# KiCad board JL.kicad_pcb (continued)
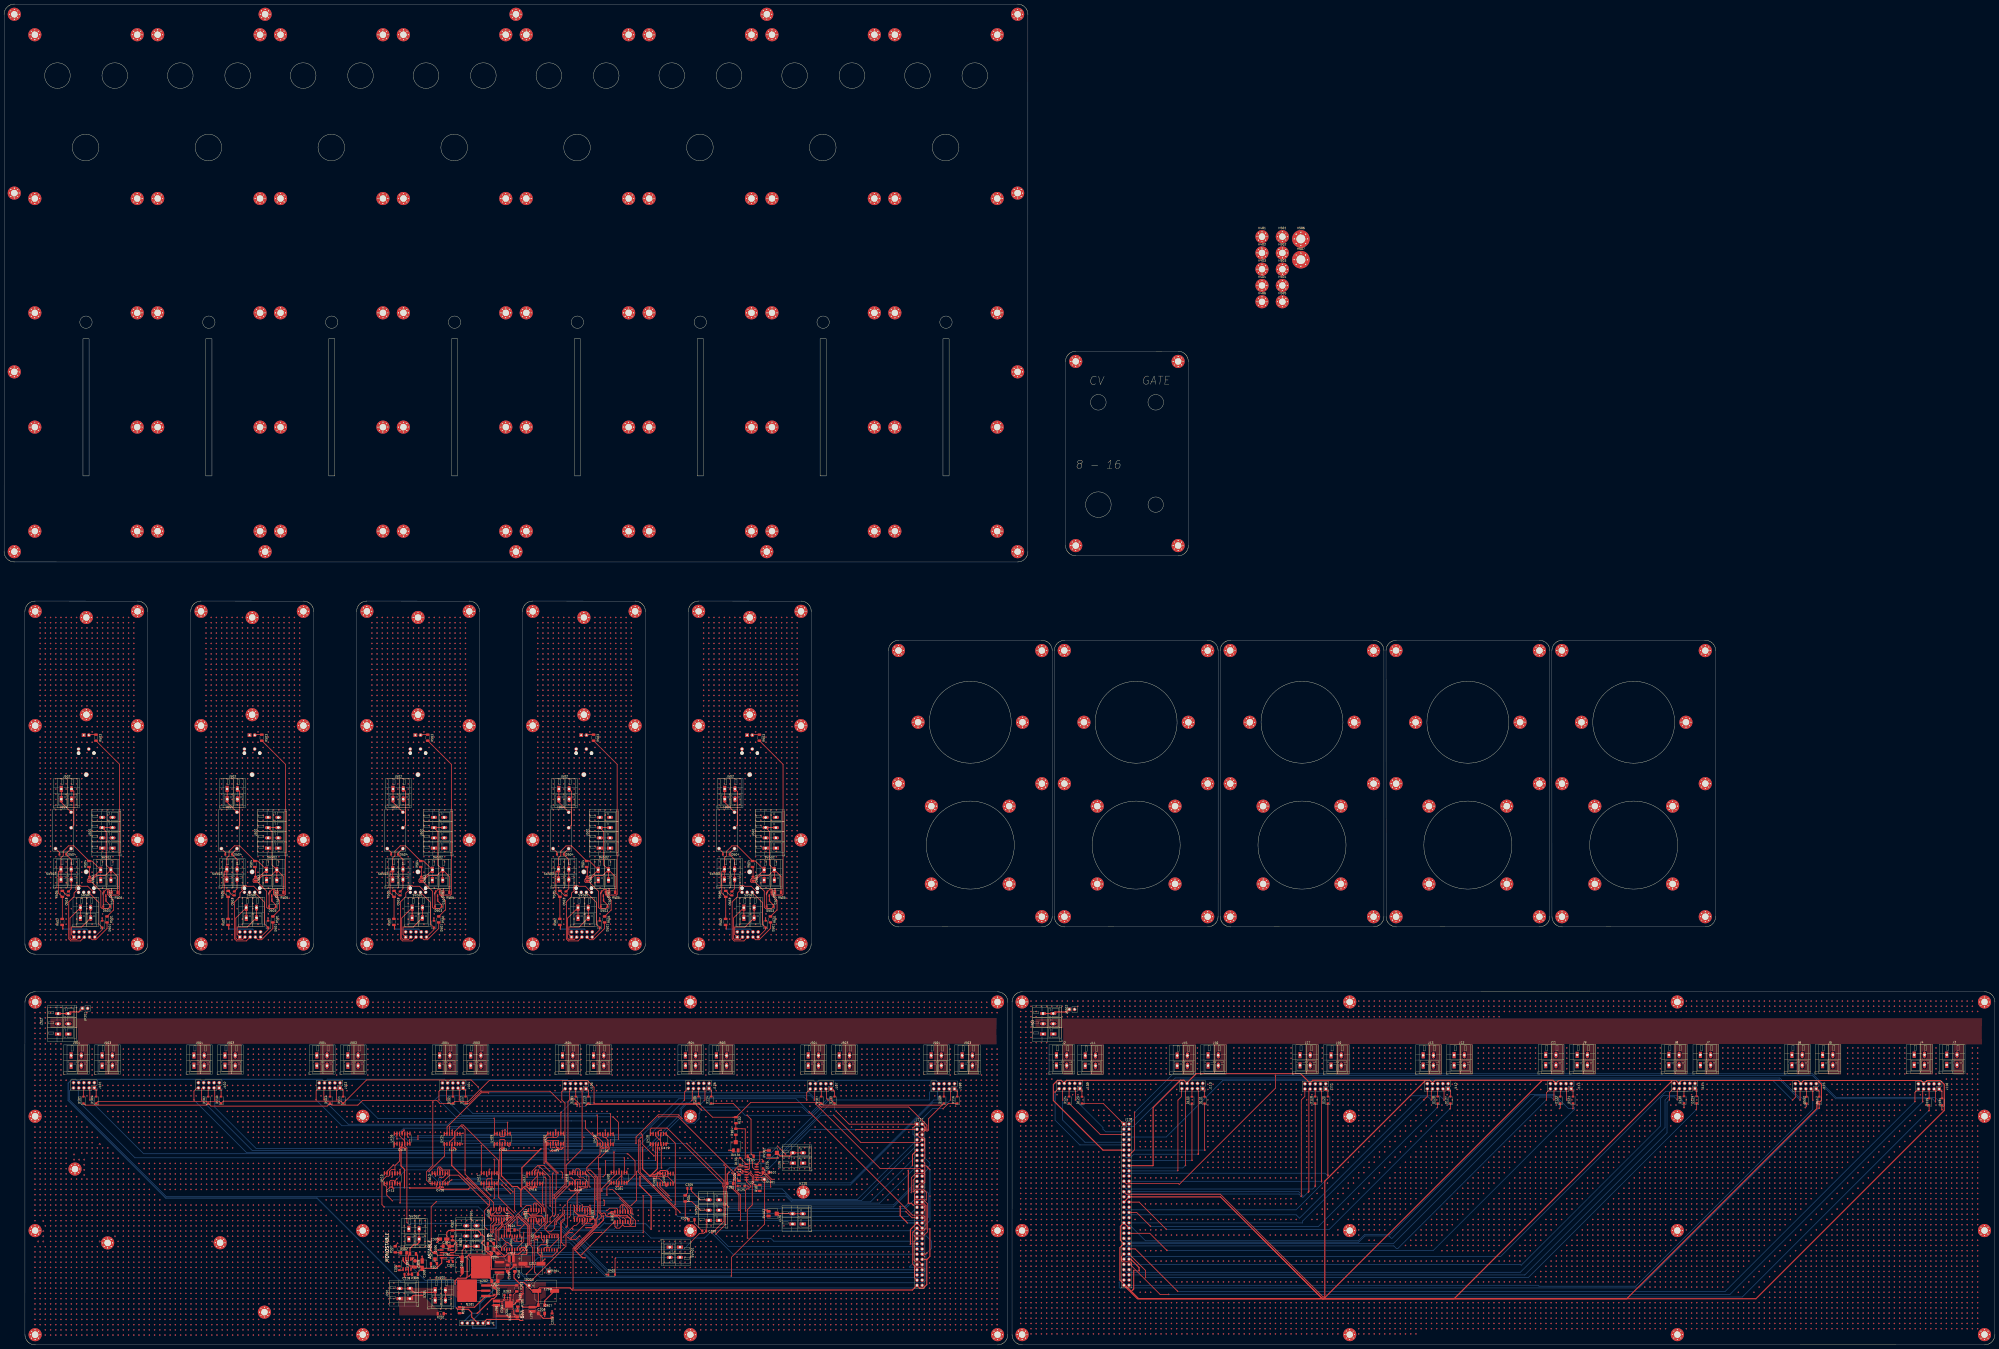
[diagram p0: board, top side]
## Routing (per net, layer and track width the routed paths; a pad name or vN(x,y) marks a point on that pad's centre or on a via; arc(x,y) is an arc through that point) (continued)
v1(742.82,61.27) v1(742.82,51.11) v1(742.82,48.57) v1(742.82,46.03) v1(742.82,43.49) v1(742.82,30.79) v1(742.82,20.63) v1(742.82,18.09) v1(742.82,15.55) v1(742.82,13.01) v1(742.82,10.47) v1(742.82,7.93) v1(745.36,167.95) v1(745.36,165.41) v1(745.36,162.87) v1(745.36,145.09) v1(745.36,142.55) v1(745.36,140.01) v1(745.36,137.47) v1(745.36,134.93) v1(745.36,127.31) v1(745.36,109.53) v1(745.36,106.99) v1(745.36,104.45) v1(745.36,101.91) v1(745.36,99.37) v1(745.36,96.83) v1(745.36,89.21) v1(745.36,86.67) v1(745.36,84.13) v1(745.36,81.59) v1(745.36,79.05) v1(745.36,76.51) v1(745.36,73.97) v1(745.36,71.43) v1(745.36,68.89) v1(745.36,66.35) v1(745.36,63.81) v1(745.36,53.65) v1(745.36,51.11) v1(745.36,48.57) v1(745.36,46.03) v1(745.36,30.79) v1(745.36,20.63) v1(745.36,18.09) v1(745.36,15.55) v1(745.36,13.01) v1(745.36,10.47) v1(745.36,7.93) v1(747.9,167.95) v1(747.9,165.41) v1(747.9,162.87) v1(747.9,145.09) v1(747.9,142.55) v1(747.9,140.01) v1(747.9,137.47) v1(747.9,134.93) v1(747.9,112.07) v1(747.9,109.53) v1(747.9,106.99) v1(747.9,104.45) v1(747.9,101.91) v1(747.9,99.37) v1(747.9,91.75) v1(747.9,89.21) v1(747.9,86.67) v1(747.9,84.13) v1(747.9,81.59) v1(747.9,79.05) v1(747.9,76.51) v1(747.9,73.97) v1(747.9,71.43) v1(747.9,68.89) v1(747.9,66.35) v1(747.9,56.19) v1(747.9,53.65) v1(747.9,51.11) v1(747.9,48.57) v1(747.9,33.33) v1(747.9,30.79) v1(747.9,20.63) v1(747.9,18.09) v1(747.9,15.55) v1(747.9,13.01) v1(747.9,10.47) v1(747.9,7.93) v1(750.44,167.95) v1(750.44,165.41) v1(750.44,162.87) v1(750.44,124.77) v1(750.44,114.61) v1(750.44,112.07) v1(750.44,109.53) v1(750.44,106.99) v1(750.44,104.45) v1(750.44,101.91) v1(750.44,94.29) v1(750.44,91.75) v1(750.44,89.21) v1(750.44,86.67) v1(750.44,84.13) v1(750.44,81.59) v1(750.44,79.05) v1(750.44,76.51) v1(750.44,73.97) v1(750.44,71.43) v1(750.44,68.89) v1(750.44,58.73) v1(750.44,56.19) v1(750.44,53.65) v1(750.44,51.11) v1(750.44,35.87) v1(750.44,33.33) v1(750.44,30.79) v1(750.44,20.63) v1(750.44,18.09) v1(750.44,15.55) v1(750.44,13.01) v1(750.44,10.47) v1(750.44,7.93) v1(752.98,167.95) v1(752.98,165.41) v1(752.98,162.87) v1(752.98,127.31) v1(752.98,117.15) v1(752.98,114.61) v1(752.98,112.07) v1(752.98,109.53) v1(752.98,106.99) v1(752.98,104.45) v1(752.98,96.83) v1(752.98,94.29) v1(752.98,91.75) v1(752.98,89.21) v1(752.98,86.67) v1(752.98,84.13) v1(752.98,81.59) v1(752.98,79.05) v1(752.98,76.51) v1(752.98,73.97) v1(752.98,71.43) v1(752.98,61.27) v1(752.98,58.73) v1(752.98,56.19) v1(752.98,53.65) v1(752.98,38.41) v1(752.98,35.87) v1(752.98,33.33) v1(752.98,30.79) v1(752.98,20.63) v1(752.98,18.09) v1(752.98,15.55) v1(752.98,13.01) v1(752.98,10.47) v1(752.98,7.93) v1(755.52,167.95) v1(755.52,165.41) v1(755.52,162.87) v1(755.52,117.15) v1(755.52,114.61) v1(755.52,112.07) v1(755.52,109.53) v1(755.52,106.99) v1(755.52,99.37) v1(755.52,96.83) v1(755.52,94.29) v1(755.52,91.75) v1(755.52,89.21) v1(755.52,86.67) v1(755.52,84.13) v1(755.52,81.59) v1(755.52,79.05) v1(755.52,76.51) v1(755.52,73.97) v1(755.52,63.81) v1(755.52,61.27) v1(755.52,58.73) v1(755.52,56.19) v1(755.52,40.95) v1(755.52,38.41) v1(755.52,35.87) v1(755.52,33.33) v1(755.52,30.79) v1(755.52,20.63) v1(755.52,18.09) v1(755.52,15.55) v1(755.52,13.01) v1(755.52,10.47) v1(755.52,7.93) v1(758.06,167.95) v1(758.06,165.41) v1(758.06,162.87) v1(758.06,117.15) v1(758.06,112.07) v1(758.06,109.53) v1(758.06,101.91) v1(758.06,99.37) v1(758.06,96.83) v1(758.06,94.29) v1(758.06,91.75) v1(758.06,89.21) v1(758.06,86.67) v1(758.06,84.13) v1(758.06,81.59) v1(758.06,79.05) v1(758.06,76.51) v1(758.06,66.35) v1(758.06,63.81) v1(758.06,61.27) v1(758.06,58.73) v1(758.06,43.49) v1(758.06,40.95) v1(758.06,38.41) v1(758.06,35.87) v1(758.06,33.33) v1(758.06,30.79) v1(758.06,20.63) v1(758.06,18.09) v1(758.06,15.55) v1(758.06,13.01) v1(758.06,10.47) v1(758.06,7.93) v1(760.6,167.95) v1(760.6,165.41) v1(760.6,162.87) v1(760.6,112.07) v1(760.6,104.45) v1(760.6,101.91) v1(760.6,99.37) v1(760.6,96.83) v1(760.6,94.29) v1(760.6,91.75) v1(760.6,89.21) v1(760.6,86.67) v1(760.6,84.13) v1(760.6,81.59) v1(760.6,79.05) v1(760.6,68.89) v1(760.6,66.35) v1(760.6,63.81) v1(760.6,61.27) v1(760.6,46.03) v1(760.6,43.49) v1(760.6,40.95) v1(760.6,38.41) v1(760.6,35.87) v1(760.6,33.33) v1(760.6,30.79) v1(760.6,20.63) v1(760.6,18.09) v1(760.6,15.55) v1(760.6,13.01) v1(760.6,10.47) v1(760.6,7.93) v1(763.14,167.95) v1(763.14,165.41) v1(763.14,162.87) v1(763.14,145.09) v1(763.14,142.55) v1(763.14,140.01) v1(763.14,137.47) v1(763.14,134.93) v1(763.14,106.99) v1(763.14,104.45) v1(763.14,101.91) v1(763.14,99.37) v1(763.14,96.83) v1(763.14,94.29) v1(763.14,91.75) v1(763.14,89.21) v1(763.14,86.67) v1(763.14,84.13) v1(763.14,81.59) v1(763.14,71.43) v1(763.14,68.89) v1(763.14,66.35) v1(763.14,63.81) v1(763.14,48.57) v1(763.14,46.03) v1(763.14,43.49) v1(763.14,40.95) v1(763.14,38.41) v1(763.14,35.87) v1(763.14,33.33) v1(763.14,30.79) v1(763.14,20.63) v1(763.14,18.09) v1(763.14,15.55) v1(763.14,13.01) v1(763.14,10.47) v1(763.14,7.93) v1(765.68,167.95) v1(765.68,165.41) v1(765.68,162.87) v1(765.68,119.69) v1(765.68,109.53) v1(765.68,106.99) v1(765.68,104.45) v1(765.68,101.91) v1(765.68,99.37) v1(765.68,96.83) v1(765.68,94.29) v1(765.68,91.75) v1(765.68,89.21) v1(765.68,86.67) v1(765.68,84.13) v1(765.68,73.97) v1(765.68,71.43) v1(765.68,68.89) v1(765.68,66.35) v1(765.68,51.11) v1(765.68,48.57) v1(765.68,46.03) v1(765.68,43.49) v1(765.68,40.95) v1(765.68,38.41) v1(765.68,35.87) v1(765.68,33.33) v1(765.68,30.79) v1(765.68,20.63) v1(765.68,18.09) v1(765.68,15.55) v1(765.68,13.01) v1(765.68,10.47) v1(765.68,7.93) v1(768.22,167.95) v1(768.22,165.41) v1(768.22,162.87) v1(768.22,127.31) v1(768.22,124.77) v1(768.22,122.23) v1(768.22,119.69) v1(768.22,117.15) v1(768.22,114.61) v1(768.22,112.07) v1(768.22,109.53) v1(768.22,106.99) v1(768.22,104.45) v1(768.22,101.91) v1(768.22,99.37) v1(768.22,96.83) v1(768.22,94.29) v1(768.22,91.75) v1(768.22,89.21) v1(768.22,86.67) v1(768.22,76.51) v1(768.22,73.97) v1(768.22,71.43) v1(768.22,68.89) v1(768.22,53.65) v1(768.22,51.11) v1(768.22,48.57) v1(768.22,46.03) v1(768.22,43.49) v1(768.22,40.95) v1(768.22,38.41) v1(768.22,35.87) v1(768.22,33.33) v1(768.22,30.79) v1(768.22,20.63) v1(768.22,18.09) v1(768.22,15.55) v1(768.22,13.01) v1(768.22,10.47) v1(768.22,7.93) v1(770.76,167.95) v1(770.76,165.41) v1(770.76,162.87) v1(770.76,127.31) v1(770.76,124.77) v1(770.76,122.23) v1(770.76,119.69) v1(770.76,117.15) v1(770.76,114.61) v1(770.76,112.07) v1(770.76,109.53) v1(770.76,106.99) v1(770.76,104.45) v1(770.76,101.91) v1(770.76,99.37) v1(770.76,96.83) v1(770.76,94.29) v1(770.76,91.75) v1(770.76,89.21) v1(770.76,79.05) v1(770.76,76.51) v1(770.76,73.97) v1(770.76,71.43) v1(770.76,56.19) v1(770.76,53.65) v1(770.76,51.11) v1(770.76,48.57) v1(770.76,46.03) v1(770.76,43.49) v1(770.76,40.95) v1(770.76,38.41) v1(770.76,35.87) v1(770.76,33.33) v1(770.76,30.79) v1(770.76,20.63) v1(770.76,18.09) v1(770.76,15.55) v1(770.76,13.01) v1(770.76,10.47) v1(770.76,7.93) v1(773.3,167.95) v1(773.3,165.41) v1(773.3,162.87) v1(773.3,127.31) v1(773.3,124.77) v1(773.3,122.23) v1(773.3,119.69) v1(773.3,117.15) v1(773.3,114.61) v1(773.3,112.07) v1(773.3,109.53) v1(773.3,106.99) v1(773.3,104.45) v1(773.3,101.91) v1(773.3,99.37) v1(773.3,96.83) v1(773.3,94.29) v1(773.3,91.75) v1(773.3,81.59) v1(773.3,79.05) v1(773.3,76.51) v1(773.3,73.97) v1(773.3,58.73) v1(773.3,56.19) v1(773.3,53.65) v1(773.3,51.11) v1(773.3,48.57) v1(773.3,46.03) v1(773.3,43.49) v1(773.3,40.95) v1(773.3,38.41) v1(773.3,35.87) v1(773.3,33.33) v1(773.3,30.79) v1(773.3,20.63) v1(773.3,18.09) v1(773.3,15.55) v1(773.3,13.01) v1(773.3,10.47) v1(773.3,7.93) v1(775.84,167.95) v1(775.84,165.41) v1(775.84,162.87) v1(775.84,127.31) v1(775.84,124.77) v1(775.84,122.23) v1(775.84,119.69) v1(775.84,117.15) v1(775.84,114.61) v1(775.84,112.07) v1(775.84,109.53) v1(775.84,106.99) v1(775.84,104.45) v1(775.84,101.91) v1(775.84,99.37) v1(775.84,96.83) v1(775.84,94.29) v1(775.84,84.13) v1(775.84,81.59) v1(775.84,79.05) v1(775.84,76.51) v1(775.84,61.27) v1(775.84,58.73) v1(775.84,56.19) v1(775.84,53.65) v1(775.84,51.11) v1(775.84,48.57) v1(775.84,46.03) v1(775.84,43.49) v1(775.84,40.95) v1(775.84,38.41) v1(775.84,35.87) v1(775.84,33.33) v1(775.84,30.79) v1(775.84,20.63) v1(775.84,18.09) v1(775.84,15.55) v1(775.84,13.01) v1(775.84,10.47) v1(775.84,7.93) v1(778.38,167.95) v1(778.38,165.41) v1(778.38,162.87) v1(778.38,145.09) v1(778.38,142.55) v1(778.38,140.01) v1(778.38,137.47) v1(778.38,134.93) v1(778.38,127.31) v1(778.38,124.77) v1(778.38,122.23) v1(778.38,119.69) v1(778.38,117.15) v1(778.38,114.61) v1(778.38,112.07) v1(778.38,109.53) v1(778.38,106.99) v1(778.38,104.45) v1(778.38,101.91) v1(778.38,99.37) v1(778.38,96.83) v1(778.38,86.67) v1(778.38,84.13) v1(778.38,81.59) v1(778.38,79.05) v1(778.38,63.81) v1(778.38,61.27) v1(778.38,58.73) v1(778.38,56.19) v1(778.38,53.65) v1(778.38,51.11) v1(778.38,48.57) v1(778.38,46.03) v1(778.38,43.49) v1(778.38,40.95) v1(778.38,38.41) v1(778.38,35.87) v1(778.38,33.33) v1(778.38,30.79) v1(778.38,20.63) v1(778.38,18.09) v1(778.38,15.55) v1(778.38,13.01) v1(778.38,10.47) v1(778.38,7.93) v1(780.92,167.95) v1(780.92,165.41) v1(780.92,162.87) v1(780.92,145.09) v1(780.92,142.55) v1(780.92,140.01) v1(780.92,137.47) v1(780.92,134.93) v1(780.92,127.31) v1(780.92,124.77) v1(780.92,122.23) v1(780.92,119.69) v1(780.92,117.15) v1(780.92,114.61) v1(780.92,112.07) v1(780.92,109.53) v1(780.92,106.99) v1(780.92,104.45) v1(780.92,101.91) v1(780.92,99.37) v1(780.92,89.21) v1(780.92,86.67) v1(780.92,84.13) v1(780.92,81.59) v1(780.92,66.35) v1(780.92,63.81) v1(780.92,61.27) v1(780.92,58.73) v1(780.92,56.19) v1(780.92,53.65) v1(780.92,51.11) v1(780.92,48.57) v1(780.92,46.03) v1(780.92,43.49) v1(780.92,40.95) v1(780.92,38.41) v1(780.92,35.87) v1(780.92,33.33) v1(780.92,30.79) v1(780.92,20.63) v1(780.92,18.09) v1(780.92,15.55) v1(780.92,13.01) v1(780.92,10.47) v1(780.92,7.93) v1(783.46,167.95) v1(783.46,165.41) v1(783.46,162.87) v1(783.46,145.09) v1(783.46,142.55) v1(783.46,140.01) v1(783.46,137.47) v1(783.46,134.93) v1(783.46,127.31) v1(783.46,124.77) v1(783.46,122.23) v1(783.46,119.69) v1(783.46,117.15) v1(783.46,114.61) v1(783.46,112.07) v1(783.46,109.53) v1(783.46,106.99) v1(783.46,104.45) v1(783.46,101.91) v1(783.46,91.75) v1(783.46,89.21) v1(783.46,86.67) v1(783.46,84.13) v1(783.46,68.89) v1(783.46,66.35) v1(783.46,63.81) v1(783.46,61.27) v1(783.46,58.73) v1(783.46,56.19) v1(783.46,53.65) v1(783.46,51.11) v1(783.46,48.57) v1(783.46,46.03) v1(783.46,43.49) v1(783.46,40.95) v1(783.46,38.41) v1(783.46,35.87) v1(783.46,33.33) v1(783.46,30.79) v1(783.46,20.63) v1(783.46,18.09) v1(783.46,15.55) v1(783.46,13.01) v1(783.46,10.47) v1(783.46,7.93) v1(786,167.95) v1(786,165.41) v1(786,162.87) v1(786,145.09) v1(786,142.55) v1(786,140.01) v1(786,137.47) v1(786,134.93) v1(786,127.31) v1(786,124.77) v1(786,122.23) v1(786,119.69) v1(786,117.15) v1(786,114.61) v1(786,112.07) v1(786,109.53) v1(786,106.99) v1(786,104.45) v1(786,94.29) v1(786,91.75) v1(786,89.21) v1(786,86.67) v1(786,71.43) v1(786,68.89) v1(786,66.35) v1(786,63.81) v1(786,61.27) v1(786,58.73) v1(786,56.19) v1(786,53.65) v1(786,51.11) v1(786,48.57) v1(786,46.03) v1(786,43.49) v1(786,40.95) v1(786,38.41) v1(786,35.87) v1(786,33.33) v1(786,30.79) v1(786,20.63) v1(786,18.09) v1(786,15.55) v1(786,13.01) v1(786,10.47) v1(786,7.93) v1(788.54,167.95) v1(788.54,165.41) v1(788.54,162.87) v1(788.54,145.09) v1(788.54,142.55) v1(788.54,140.01) v1(788.54,137.47) v1(788.54,134.93) v1(788.54,127.31) v1(788.54,124.77) v1(788.54,122.23) v1(788.54,119.69) v1(788.54,117.15) v1(788.54,114.61) v1(788.54,112.07) v1(788.54,109.53) v1(788.54,106.99) v1(788.54,96.83) v1(788.54,94.29) v1(788.54,91.75) v1(788.54,89.21) v1(788.54,73.97) v1(788.54,71.43) v1(788.54,68.89) v1(788.54,66.35) v1(788.54,63.81) v1(788.54,61.27) v1(788.54,58.73) v1(788.54,56.19) v1(788.54,53.65) v1(788.54,51.11) v1(788.54,48.57) v1(788.54,46.03) v1(788.54,43.49) v1(788.54,40.95) v1(788.54,38.41) v1(788.54,35.87) v1(788.54,33.33) v1(788.54,30.79) v1(788.54,20.63) v1(788.54,18.09) v1(788.54,15.55) v1(788.54,13.01) v1(788.54,10.47) v1(788.54,7.93) v1(791.08,167.95) v1(791.08,165.41) v1(791.08,162.87) v1(791.08,145.09) v1(791.08,142.55) v1(791.08,140.01) v1(791.08,137.47) v1(791.08,134.93) v1(791.08,127.31) v1(791.08,124.77) v1(791.08,122.23) v1(791.08,119.69) v1(791.08,117.15) v1(791.08,114.61) v1(791.08,112.07) v1(791.08,109.53) v1(791.08,99.37) v1(791.08,96.83) v1(791.08,94.29) v1(791.08,91.75) v1(791.08,76.51) v1(791.08,73.97) v1(791.08,71.43) v1(791.08,68.89) v1(791.08,66.35) v1(791.08,63.81) v1(791.08,61.27) v1(791.08,58.73) v1(791.08,56.19) v1(791.08,53.65) v1(791.08,51.11) v1(791.08,48.57) v1(791.08,46.03) v1(791.08,43.49) v1(791.08,40.95) v1(791.08,38.41) v1(791.08,35.87) v1(791.08,33.33) v1(791.08,30.79) v1(791.08,20.63) v1(791.08,18.09) v1(791.08,15.55) v1(791.08,13.01) v1(791.08,10.47) v1(791.08,7.93) v1(793.62,167.95) v1(793.62,165.41) v1(793.62,162.87) v1(793.62,145.09) v1(793.62,142.55) v1(793.62,140.01) v1(793.62,137.47) v1(793.62,134.93) v1(793.62,127.31) v1(793.62,124.77) v1(793.62,122.23) v1(793.62,119.69) v1(793.62,117.15) v1(793.62,114.61) v1(793.62,112.07) v1(793.62,101.91) v1(793.62,99.37) v1(793.62,96.83) v1(793.62,94.29) v1(793.62,79.05) v1(793.62,76.51) v1(793.62,73.97) v1(793.62,71.43) v1(793.62,68.89) v1(793.62,66.35) v1(793.62,63.81) v1(793.62,61.27) v1(793.62,58.73) v1(793.62,56.19) v1(793.62,53.65) v1(793.62,51.11) v1(793.62,48.57) v1(793.62,46.03) v1(793.62,43.49) v1(793.62,40.95) v1(793.62,38.41) v1(793.62,35.87) v1(793.62,33.33) v1(793.62,30.79) v1(793.62,20.63) v1(793.62,18.09) v1(793.62,15.55) v1(793.62,13.01) v1(793.62,10.47) v1(793.62,7.93) v1(796.16,167.95) v1(796.16,165.41) v1(796.16,162.87) v1(796.16,145.09) v1(796.16,142.55) v1(796.16,140.01) v1(796.16,137.47) v1(796.16,134.93) v1(796.16,127.31) v1(796.16,124.77) v1(796.16,122.23) v1(796.16,119.69) v1(796.16,117.15) v1(796.16,114.61) v1(796.16,104.45) v1(796.16,101.91) v1(796.16,99.37) v1(796.16,96.83) v1(796.16,81.59) v1(796.16,79.05) v1(796.16,76.51) v1(796.16,73.97) v1(796.16,71.43) v1(796.16,68.89) v1(796.16,66.35) v1(796.16,63.81) v1(796.16,61.27) v1(796.16,58.73) v1(796.16,56.19) v1(796.16,53.65) v1(796.16,51.11) v1(796.16,48.57) v1(796.16,46.03) v1(796.16,43.49) v1(796.16,40.95) v1(796.16,38.41) v1(796.16,35.87) v1(796.16,33.33) v1(796.16,30.79) v1(796.16,20.63) v1(796.16,18.09) v1(796.16,15.55) v1(796.16,13.01) v1(796.16,10.47) v1(796.16,7.93) v1(798.7,167.95) v1(798.7,165.41) v1(798.7,162.87) v1(798.7,145.09) v1(798.7,142.55) v1(798.7,140.01) v1(798.7,137.47) v1(798.7,134.93) v1(798.7,127.31) v1(798.7,124.77) v1(798.7,122.23) v1(798.7,119.69) v1(798.7,117.15) v1(798.7,106.99) v1(798.7,104.45) v1(798.7,101.91) v1(798.7,99.37) v1(798.7,84.13) v1(798.7,81.59) v1(798.7,79.05) v1(798.7,76.51) v1(798.7,73.97) v1(798.7,71.43) v1(798.7,68.89) v1(798.7,66.35) v1(798.7,63.81) v1(798.7,61.27) v1(798.7,58.73) v1(798.7,56.19) v1(798.7,53.65) v1(798.7,51.11) v1(798.7,48.57) v1(798.7,46.03) v1(798.7,43.49) v1(798.7,40.95) v1(798.7,38.41) v1(798.7,35.87) v1(798.7,33.33) v1(798.7,20.63) v1(798.7,18.09) v1(798.7,15.55) v1(798.7,13.01) v1(798.7,10.47) v1(798.7,7.93) v1(801.24,167.95) v1(801.24,165.41) v1(801.24,162.87) v1(801.24,145.09) v1(801.24,142.55) v1(801.24,140.01) v1(801.24,137.47) v1(801.24,134.93) v1(801.24,127.31) v1(801.24,124.77) v1(801.24,122.23) v1(801.24,119.69) v1(801.24,109.53) v1(801.24,106.99) v1(801.24,104.45) v1(801.24,101.91) v1(801.24,86.67) v1(801.24,84.13) v1(801.24,81.59) v1(801.24,79.05) v1(801.24,76.51) v1(801.24,73.97) v1(801.24,71.43) v1(801.24,68.89) v1(801.24,66.35) v1(801.24,63.81) v1(801.24,61.27) v1(801.24,58.73) v1(801.24,56.19) v1(801.24,53.65) v1(801.24,51.11) v1(801.24,48.57) v1(801.24,46.03) v1(801.24,43.49) v1(801.24,40.95) v1(801.24,38.41) v1(801.24,35.87) v1(801.24,28.25) v1(801.24,20.63) v1(801.24,18.09) v1(801.24,15.55) v1(801.24,13.01) v1(801.24,10.47) v1(801.24,7.93) v1(803.78,167.95) v1(803.78,165.41) v1(803.78,162.87) v1(803.78,145.09) v1(803.78,142.55) v1(803.78,140.01) v1(803.78,137.47) v1(803.78,134.93) v1(803.78,127.31) v1(803.78,124.77) v1(803.78,122.23) v1(803.78,112.07) v1(803.78,109.53) v1(803.78,106.99) v1(803.78,104.45) v1(803.78,89.21) v1(803.78,86.67) v1(803.78,84.13) v1(803.78,81.59) v1(803.78,79.05) v1(803.78,76.51) v1(803.78,73.97) v1(803.78,71.43) v1(803.78,68.89) v1(803.78,66.35) v1(803.78,63.81) v1(803.78,61.27) v1(803.78,58.73) v1(803.78,56.19) v1(803.78,53.65) v1(803.78,51.11) v1(803.78,48.57) v1(803.78,46.03) v1(803.78,43.49) v1(803.78,40.95) v1(803.78,38.41) v1(803.78,30.79) v1(803.78,28.25) v1(803.78,20.63) v1(803.78,18.09) v1(803.78,15.55) v1(803.78,13.01) v1(803.78,10.47) v1(803.78,7.93) v1(806.32,167.95) v1(806.32,165.41) v1(806.32,162.87) v1(806.32,145.09) v1(806.32,142.55) v1(806.32,140.01) v1(806.32,137.47) v1(806.32,134.93) v1(806.32,127.31) v1(806.32,124.77) v1(806.32,114.61) v1(806.32,112.07) v1(806.32,109.53) v1(806.32,106.99) v1(806.32,91.75) v1(806.32,89.21) v1(806.32,86.67) v1(806.32,84.13) v1(806.32,81.59) v1(806.32,79.05) v1(806.32,76.51) v1(806.32,73.97) v1(806.32,71.43) v1(806.32,68.89) v1(806.32,66.35) v1(806.32,63.81) v1(806.32,61.27) v1(806.32,58.73) v1(806.32,56.19) v1(806.32,53.65) v1(806.32,51.11) v1(806.32,48.57) v1(806.32,46.03) v1(806.32,43.49) v1(806.32,40.95) v1(806.32,33.33) v1(806.32,30.79) v1(806.32,28.25) v1(806.32,20.63) v1(806.32,18.09) v1(806.32,15.55) v1(806.32,13.01) v1(806.32,10.47) v1(806.32,7.93) v1(808.86,167.95) v1(808.86,165.41) v1(808.86,162.87) v1(808.86,145.09) v1(808.86,142.55) v1(808.86,140.01) v1(808.86,137.47) v1(808.86,134.93) v1(808.86,127.31) v1(808.86,94.29) v1(808.86,91.75) v1(808.86,89.21) v1(808.86,86.67) v1(808.86,84.13) v1(808.86,81.59) v1(808.86,79.05) v1(808.86,76.51) v1(808.86,73.97) v1(808.86,71.43) v1(808.86,68.89) v1(808.86,66.35) v1(808.86,63.81) v1(808.86,61.27) v1(808.86,58.73) v1(808.86,56.19) v1(808.86,53.65) v1(808.86,51.11) v1(808.86,48.57) v1(808.86,46.03) v1(808.86,43.49) v1(808.86,35.87) v1(808.86,33.33) v1(808.86,30.79) v1(808.86,28.25) v1(808.86,20.63) v1(808.86,18.09) v1(808.86,15.55) v1(808.86,13.01) v1(808.86,10.47) v1(808.86,7.93) v1(811.4,167.95) v1(811.4,165.41) v1(811.4,162.87) v1(811.4,96.83) v1(811.4,94.29) v1(811.4,91.75) v1(811.4,89.21) v1(811.4,86.67) v1(811.4,84.13) v1(811.4,81.59) v1(811.4,79.05) v1(811.4,76.51) v1(811.4,73.97) v1(811.4,71.43) v1(811.4,68.89) v1(811.4,66.35) v1(811.4,63.81) v1(811.4,61.27) v1(811.4,58.73) v1(811.4,56.19) v1(811.4,53.65) v1(811.4,51.11) v1(811.4,48.57) v1(811.4,46.03) v1(811.4,38.41) v1(811.4,35.87) v1(811.4,33.33) v1(811.4,30.79) v1(811.4,28.25) v1(811.4,20.63) v1(811.4,18.09) v1(811.4,15.55) v1(811.4,13.01) v1(811.4,10.47) v1(811.4,7.93) v1(813.94,162.87) v1(813.94,117.15) v1(813.94,106.99) v1(813.94,99.37) v1(813.94,96.83) v1(813.94,94.29) v1(813.94,91.75) v1(813.94,89.21) v1(813.94,86.67) v1(813.94,84.13) v1(813.94,81.59) v1(813.94,79.05) v1(813.94,76.51) v1(813.94,73.97) v1(813.94,71.43) v1(813.94,68.89) v1(813.94,66.35) v1(813.94,63.81) v1(813.94,61.27) v1(813.94,51.11) v1(813.94,48.57) v1(813.94,40.95) v1(813.94,38.41) v1(813.94,35.87) v1(813.94,33.33) v1(813.94,30.79) v1(813.94,28.25) v1(813.94,20.63) v1(813.94,18.09) v1(813.94,15.55) v1(813.94,13.01) v1(813.94,10.47) v1(816.48,162.87) v1(816.48,117.15) v1(816.48,101.91) v1(816.48,99.37) v1(816.48,96.83) v1(816.48,94.29) v1(816.48,91.75) v1(816.48,89.21) v1(816.48,86.67) v1(816.48,84.13) v1(816.48,81.59) v1(816.48,79.05) v1(816.48,76.51) v1(816.48,73.97) v1(816.48,71.43) v1(816.48,68.89) v1(816.48,66.35) v1(816.48,63.81) v1(816.48,61.27) v1(816.48,51.11) v1(816.48,43.49) v1(816.48,40.95) v1(816.48,38.41) v1(816.48,35.87) v1(816.48,33.33) v1(816.48,30.79) v1(816.48,28.25) v1(816.48,20.63) v1(816.48,18.09) v1(816.48,15.55) v1(816.48,13.01) v1(816.48,10.47) v1(819.02,162.87) v1(819.02,104.45) v1(819.02,101.91) v1(819.02,99.37) v1(819.02,96.83) v1(819.02,94.29) v1(819.02,91.75) v1(819.02,89.21) v1(819.02,86.67) v1(819.02,84.13) v1(819.02,81.59) v1(819.02,79.05) v1(819.02,76.51) v1(819.02,73.97) v1(819.02,71.43) v1(819.02,68.89) 